# Altium PCB CL-HC-M-V2.1.PcbDoc (part 1 of 19) (continued)
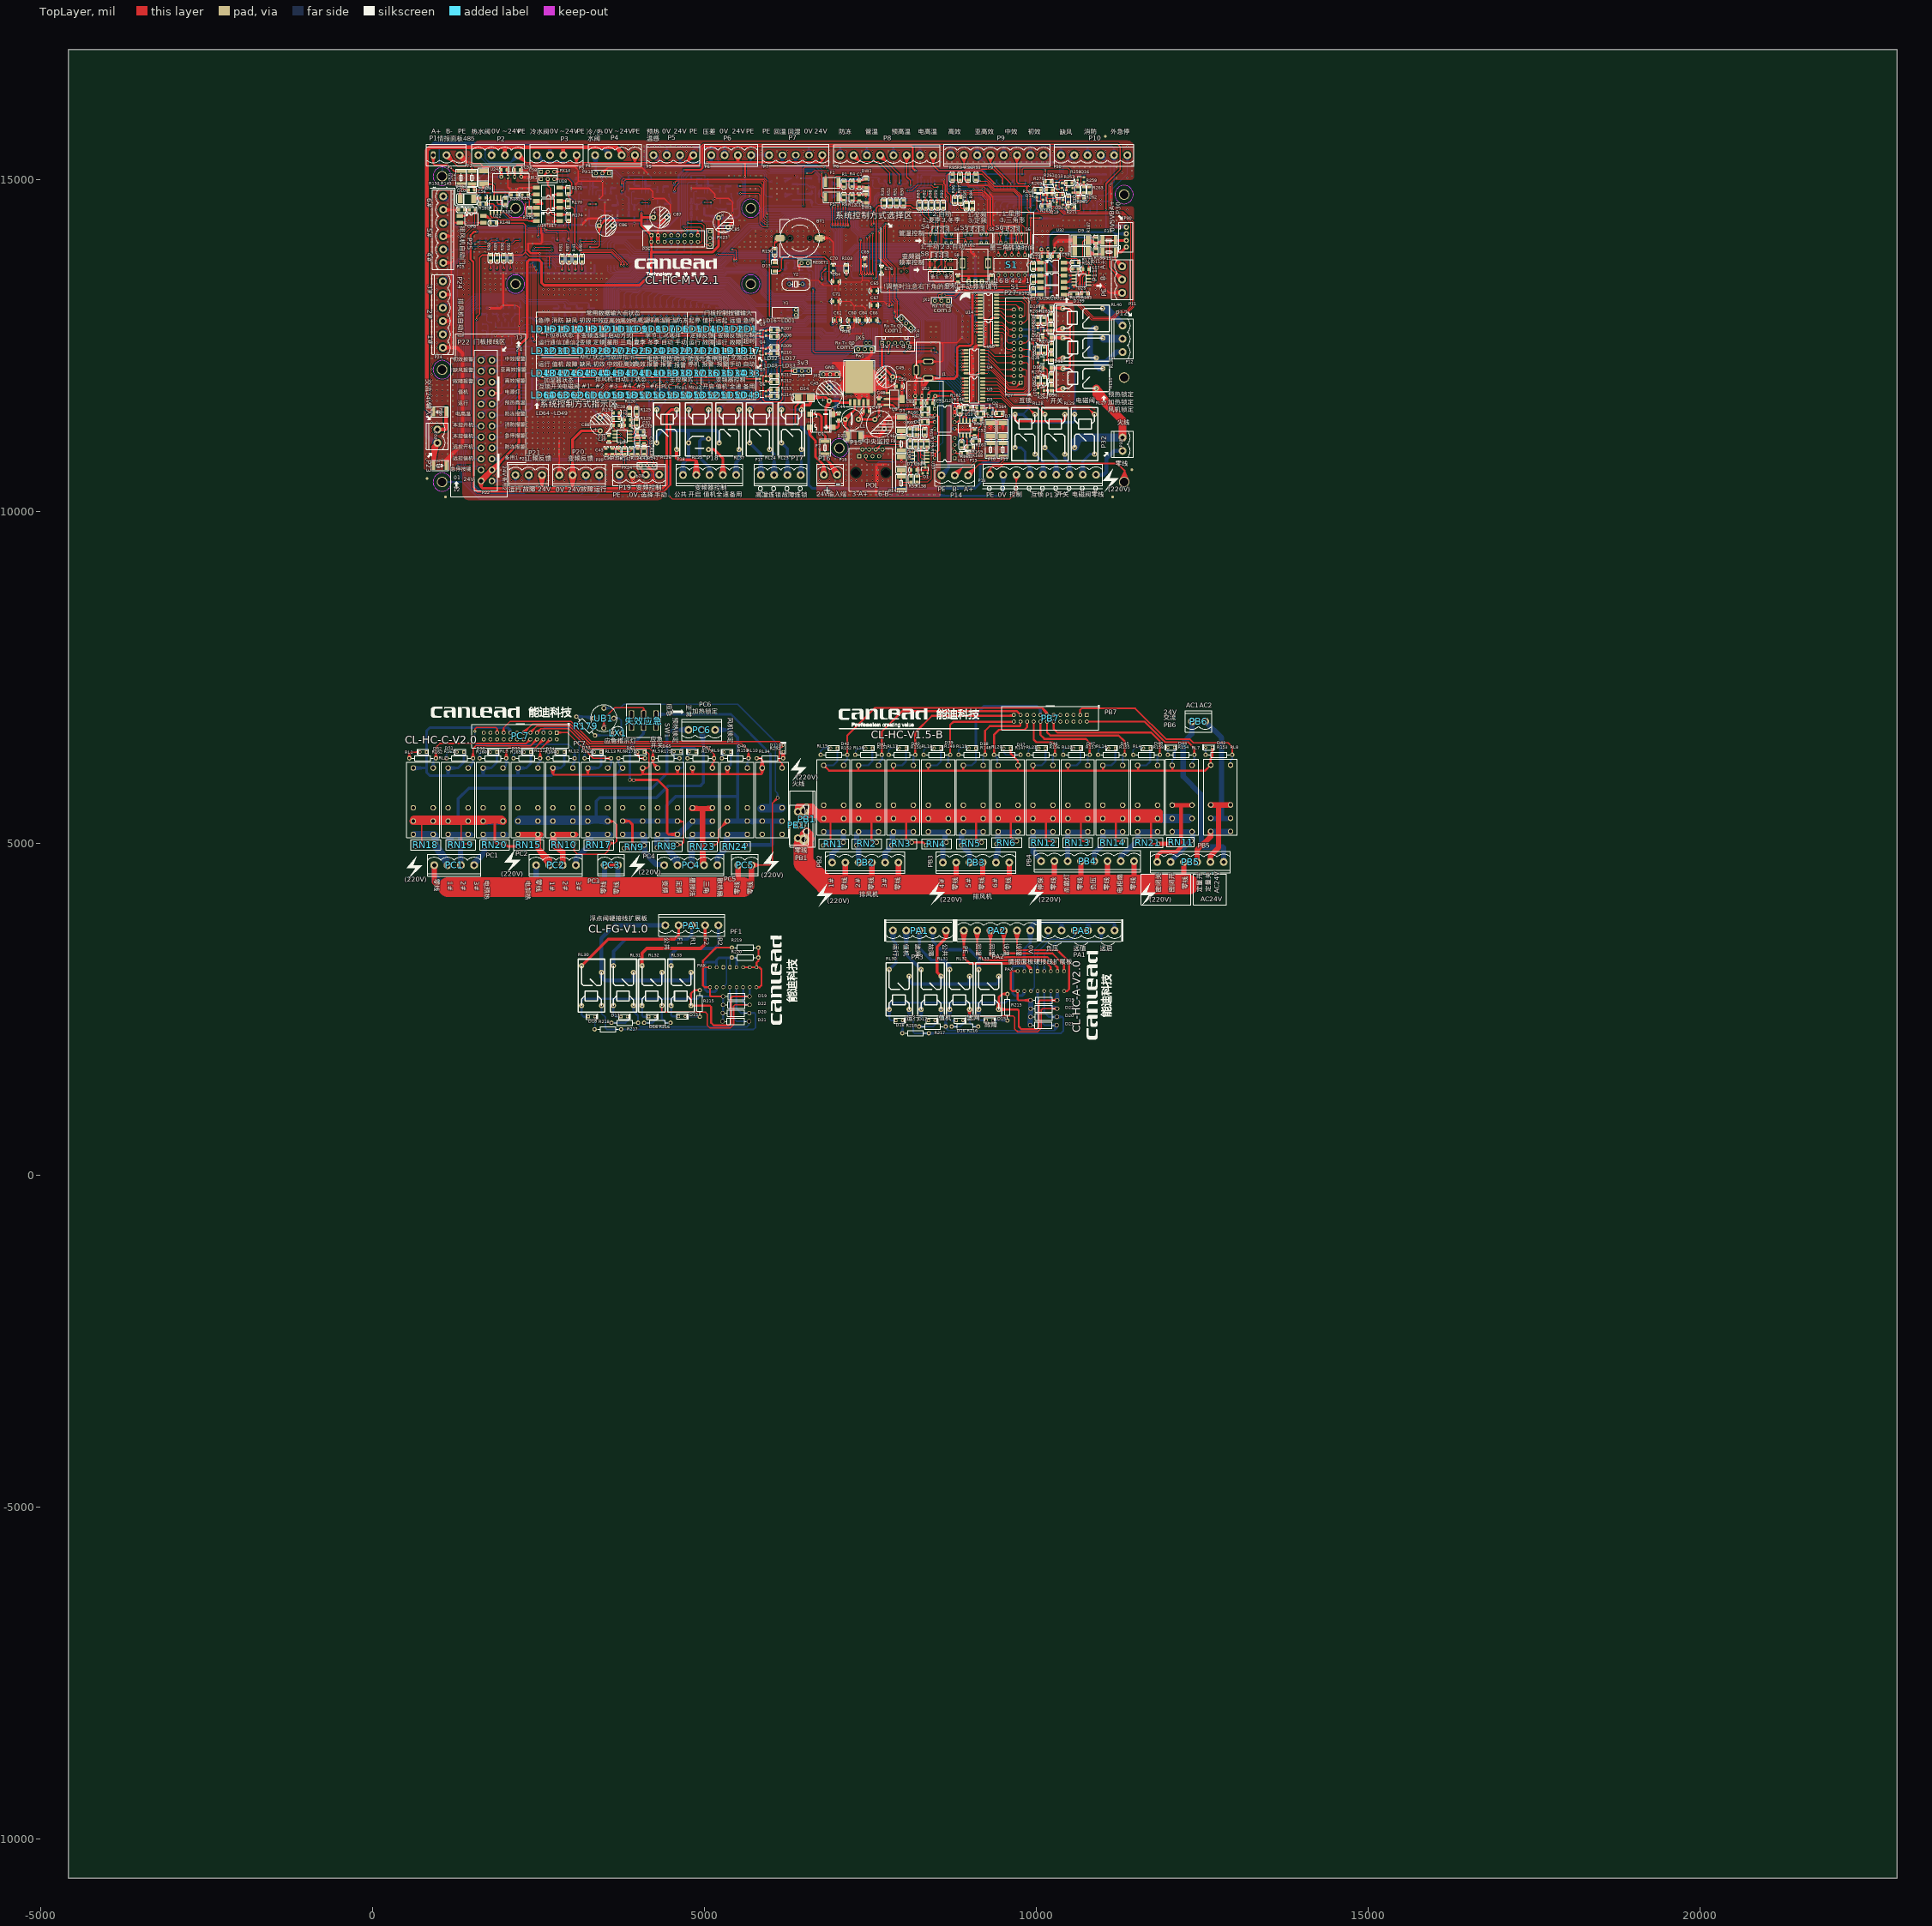
[diagram p0: TopLayer view]
## Components (designator, comment, footprint, x,y, rotation, side; value= is the part's Value field where it differs from the comment) (continued)
LD55 "GR" 0805_B 4387.97,11753.58 r0 top
LD56 "GR" 0805_B 4182.18,11753.58 r0 top
LD57 "GR" 0805_B 3976.39,11753.58 r0 top
LD58 "GR" 0805_B 3770.6,11753.58 r0 top
LD59 "GR" 0805_B 3564.81,11753.58 r0 top
LD60 "GR" 0805_B 3359.02,11753.58 r0 top
LD61 "GR" 0805_B 3153.23,11753.58 r0 top
LD62 "GR" 0805_B 2947.44,11753.58 r0 top
LD63 "GR" 0805_B 2741.65,11753.58 r0 top
LD64 "GR" 0805_B 2535.86,11753.58 r0 top
LX1 "" LEDA 3648.56,6660.24 r180 top locked (schematic designator 红?)
OP1 "PS2512-4" SO_16L 10738.86,14708.5 r0 bottom
OP2 "PS2512-4" SO_16L 9537.76,14700.04 r0 bottom
OP3 "PS2512-4" SO_16L 7837.38,14742.24 r0 bottom
OP4 "PS2512-4" SO_16L 3027.76,13835.04 r0 bottom
OP5 "PS2512-4" SO_16L 1952.76,13835.04 r0 bottom
OP6 "PS2512-4" SO_16L 1974.37,12715.16 r0 bottom
OP7 "PS2512-4" SO_16L 3052.06,12720.09 r0 bottom
OP8 "EL817" EL-817 1316.39,14453.86 r0 top
P1 "" PL3X#1 914.75,15370.67 r0 top (schematic designator 485-1)
P2 "热水执行" PL4X 1894.08,15370.67 r180 top (schematic designator 热水阀执行1)
P3 "冷水执行" PL4X 2774,15370.67 r180 top (schematic designator 冷水阀执行1)
P4 "冷/热水阀" PL4X 3653.92,15369.36 r180 top (schematic designator 冷/热水阀1)
P5 "N1000" PL4X 4533.84,15370.67 r180 top (schematic designator 预热温感1)
P6 "压差" PL4X 5403.92,15369.36 r180 top (schematic designator 压差传感器1)
P7 "回风温湿" PL5X#1 6376.36,15370.67 r180 top (schematic designator 回风温湿传感器1)
P8 "DI-3" PL8X 7748.32,15367.06 r0 top (schematic designator P1)
P9 "DI-2" PL8X 9410.72,15369.03 r0 top (schematic designator P5)
P10 "DI-1" PL6X 10873.71,15369.03 r0 top (schematic designator P9)
P11 "" PL3X#2 11295.27,13694.56 r270 top (schematic designator 485-2)
P12 "Header 3" PL3X#2 11302.26,12801.51 r270 top locked (schematic designator P25)
P13 "Header 9" PL9X 10102.22,10553.66 r0 top (schematic designator 加湿器1)
P14 "Header 4X2" RH45 7508.69,10758.66 r0 top
P15 "Header 3" PL3X#2 8572.38,10545.64 r0 top
P16 "power" PL2X 6899.97,10553.66 r0 top (schematic designator 24V)
P17 "硬接线" PL4X 6151.71,10550.41 r180 top (schematic designator 电柜内部1)
P18 "硬接线" PL5X#2 5077.86,10551.66 r180 top (schematic designator 变频1)
P19 "硬接线" PL4X 4019.56,10553.66 r0 top (schematic designator 变频2)
P20 "变频反馈" PL4X 3114.81,10549.2 r180 top (schematic designator 变频3)
P21 "工频反馈" PL3X#2 2154.81,10549.2 r0 top (schematic designator 电柜内部2)
P22 "硬接线" ATX_24PIN 1635.3,12280.18 r270 top (schematic designator 门控指示灯1)
P23 "硬接线" PL2X 977.49,11135.5 r90 top
P24 "自动门" PL6X 1058.64,12969.2 r90 top (schematic designator P14)
P25 "自动门" PL6X 1064.81,14249.2 r90 top (schematic designator P17)
P26 "Header 8X2" Con2*8-1mm 4201.86,14163.1 r0 top
P27 "Con2*12-1mm" FC24LX 9716.03,12493.88 r90 top
P30 "硬接线" C3-4 11356.69,14134.99 r90 top (schematic designator 220V)
P32 "硬接线" PL2X 11300.57,11014.37 r90 top
PA1 "情报面板与电柜输入" pl5xQ 8241.01,3686.87 r0 top (schematic designator 外?)
PA1 "情报面板与电柜输入" pl5x 4811.28,3765.37 r0 top (schematic designator 外?)
PA2 "模拟-硬连接" PL6XQ 9410.68,3686.87 r180 top (schematic designator 外?)
PA3 "外接情报面板接口1" PL6XQ 10681.01,3686.87 r0 top
PAX "Header 8X2" centipede-16 10070.16,2925.27 r90 bottom (schematic designator P19)
PAX "Header 8X2" centipede-16 5434.49,2982.67 r90 bottom (schematic designator P19)
PB1 "硬接线" 95-2P 6540.64,5180.36 r90 top (schematic designator AC24Vin2)
PB1' "硬接线" PL3X#2 6407.5,5077.45 r90 top (schematic designator 客户接线1)
PB2 "Header 6" PL6X 7424.33,4711.71 r0 top (schematic designator 客户接线2)
PB3 "Header 6" PL6X 9094.33,4711.71 r0 top (schematic designator 客户接线3)
PB4 "Header 8" PL8X 10774.33,4731.71 r0 top (schematic designator 杀菌/停保)
PB5 "硬接线" PL6X 12324.99,4719.33 r0 top (schematic designator 客接新?)
PB6 "硬接线" PL2X 12445.98,6837.65 r180 top (schematic designator AC24Vin2)
PB7 "Con2*12-1mm" FC24LX 10213.41,6884.7 r180 top (schematic designator P21)
PC1 "Header 4" PL4X 1230.03,4671.3 r0 top locked (schematic designator 再热)
PC2 "Header 4" PL4X 2765.03,4671.3 r0 top locked (schematic designator 预热)
PC3 "硬接线" PL2X 3597.55,4672.36 r180 top locked (schematic designator P24)
PC4 "硬接线" PL5X#2 4796.36,4672.36 r180 top locked (schematic designator 送风机)
PC5 "硬接线" PL2X 5609.75,4672.36 r180 top locked (schematic designator P24)
PC6 "Header 3" PL3X#2 4760.73,6709.07 r0 top locked (schematic designator 火线)
PC7 "Con2*12-1mm" FC24LX 2227.25,6616.95 r180 top (schematic designator P21)
Pw1 "LM2596-5V" LM2575 7331.74,11835.34 r0 top
PX14 "Header 3" HDR1X3 2539.14,15120.55 r0 top
PX15 "Header 3" HDR1X3 3564.16,15098.22 r180 top
PX23 "Header 3" HDR1X3 5086.21,14220.32 r270 top
PX24 "Header 3" HDR1X3 4038.92,10691.76 r0 top
Q1 "NPN" SOT23 8327.38,10621.06 r0 top
Q2 "NPN" SOT23 9301.04,11517.4 r0 top
Q3 "PNP" SOT23 5882.39,12685.45 r90 top
Q4 "PNP" SOT23 5882.39,12415.45 r90 top
Q5 "PNP" SOT23 5882.39,12000.45 r90 top
Q6 "PNP" SOT23 5882.39,11775.45 r90 top
Q13 "PNP" SOT23 10344.86,14912.6 r90 top (schematic designator Q15)
Q15 "PNP" SOT23 10501.2,14841.87 r90 top
Q16 "PNP" SOT23 10671.12,14998.51 r90 top
Q17 "NPN" SOT23 10074.39,11821.36 r270 top
Q18 "PNP" SOT23 10056.87,14734.56 r90 top
Q19 "PNP" SOT23 10205.39,14725.87 r180 top
Q20 "PNP" SOT23 10354.66,14659.43 r90 top
Q21 "NPN" SOT23 10074.39,12281.37 r270 top
Q22 "NPN" SOT23 10070.34,12727.82 r270 top
R1 "20.5K" 0805R#1 7102.76,14975.04 r270 top
R2 "20.5K" 0805R#1 6321.73,14697 r90 bottom
R3 "20.5K" 0805R#1 7053.81,15002.19 r270 bottom
R4 "10K" 0805R#1 7222.76,14895.04 r90 top
R5 "10K" 0805R#1 6410.11,14782 r270 bottom
R6 "10K" 0805R#1 7149.13,14917.19 r90 bottom
R7 "20.5K" 0805R#1 7028.04,14684.21 r90 bottom
R8 "20.5K" 0805R#1 7102.76,14775.04 r270 top
R9 "20.5K" 0805R#1 6313.23,14934.91 r90 bottom
R10 "10K" 0805R#1 10978.86,15083.5 r270 bottom
R11 "10K" 0805R#1 7138.04,14774.21 r270 bottom
R12 "10K" 0805R#1 7222.76,14685.04 r90 top
R13 "10K" 0805R#1 6401.61,15017.82 r270 bottom
R14 "10K" 0805R#1 11063.86,15083.5 r270 bottom
R15 "10K" 0805R#1 7535.63,15083.78 r270 bottom
R16 "10K" 0805R#1 3222.38,14213.36 r270 bottom
R17 "10K" 0805R#1 3047.38,14213.36 r270 bottom
R18 "10K" 0805R#1 10804.71,15083.5 r270 bottom
R19 "10K" 0805R#1 10893.86,15083.5 r270 bottom
R20 "10K" 0805R#1 10633.86,15083.5 r270 bottom
R21 "10K" 0805R#1 10718.86,15083.5 r270 bottom
R22 "10K" 0805R#1 10466.61,15080.04 r270 bottom
R23 "10K" 0805R#1 10549.71,15083.5 r270 bottom
R24 "10K" 0805R#1 9749.84,15083.5 r270 bottom
R25 "10K" 0805R#1 9834.84,15083.5 r270 bottom
R26 "10K" 0805R#1 9575.69,15083.5 r270 bottom
R27 "10K" 0805R#1 9664.84,15083.5 r270 bottom
R28 "10K" 0805R#1 9404.84,15083.5 r270 bottom
R29 "10K" 0805R#1 9489.84,15083.5 r270 bottom
R30 "10K" 0805R#1 9234.84,15083.5 r270 bottom
R31 "10K" 0805R#1 9320.69,15083.5 r270 bottom
R32 "10K" 0805R#1 8062.81,15080.95 r270 bottom
R33 "10K" 0805R#1 8152.81,15080.95 r270 bottom
R34 "10K" 0805R#1 7882.81,15080.95 r270 bottom
R35 "10K" 0805R#1 7972.81,15080.95 r270 bottom
R36 "0R" 0805R#1 7166.44,12768.25 r180 top
R37 "10K" 0805R#1 7712.81,15080.95 r270 bottom
R38 "10K" 0805R#1 7797.81,15080.95 r270 bottom
R39 "10K" 0805R#1 7706.97,14690.85 r270 top
R40 "10K" 0805R#1 3157.38,13762.95 r90 top
R41 "10K" 0805R#1 3057.38,13762.95 r90 top
R42 "10K" 0805R#1 10021.99,14504.06 r270 bottom
R43 "10K" 0805R#1 10110.9,14504.55 r270 bottom
R44 "10K" 0805R#1 10198.82,14504.06 r270 bottom
R45 "10K" 0805R#1 10426.02,14626.55 r270 bottom
R46 "10K" 0805R#1 10306.61,14995.04 r90 bottom
R47 "10K" 0805R#1 10211.61,14995.04 r90 bottom
R48 "10K" 0805R#1 10111.61,14995.04 r90 bottom
R49 "10K" 0805R#1 10016.61,14995.04 r90 bottom
R50 "10K" 0805R#1 7996.53,14692.61 r270 top
R51 "10K" 0805R#1 7896.53,14692.61 r270 top
R52 "10K" 0805R#1 7796.53,14691.5 r270 top
R53 "10K" 0805R#1 2697.38,14213.36 r270 bottom
R54 "10K" 0805R#1 2782.38,14213.36 r270 bottom
R55 "10K" 0805R#1 2867.38,14213.36 r270 bottom
R56 "10K" 0805R#1 2957.38,14213.36 r270 bottom
R57 "10K" 0805R#1 1622.38,14213.36 r270 bottom
R58 "10K?" 0805R#1 8099.85,11061.48 r270 top
R59 "3K" 0805R#1 8112.38,10528.36 r270 top
R60 "3K" 0805R#1 8099.85,11243.83 r270 top
R61 "1K" 0805R#1 8321.76,11238.69 r270 top
R62 "1K" 0805R#1 8267.38,11058.36 r270 top
R63 "3K" 0805R#1 8182.38,11058.15 r270 top
R64 "10K" 0805R#1 1707.38,14213.36 r270 bottom
R65 "10K" 0805R#1 1792.38,14214.57 r270 bottom
R66 "0R" 0805R#2 8326.08,11459.06 r0 top
R67 "0R" 0805R#2 8328.05,11542.58 r0 top
R68 "10K" 0805R#1 3257.76,13065.04 r270 bottom
R69 "10K" 0805R#1 3077.76,13065.04 r270 bottom
R70 "10K" 0805R#1 2987.76,13065.04 r270 bottom
R71 "10K" 0805R#1 2807.76,13065.04 r270 bottom
R72 "10K" 0805R#1 1877.38,14214.57 r270 bottom
R73 "10K" 0805R#1 1962.38,14213.36 r270 bottom
R74 "10K" 0805R#1 2047.38,14213.36 r270 bottom
R75 "10K" 0805R#1 3355.43,12864.42 r0 bottom
R76 "10K" 0805R#1 3355.43,12771.07 r0 bottom
R77 "10K" 0805R#1 3355.43,12677.73 r0 bottom
R78 "10K" 0805R#1 3355.43,12584.39 r0 bottom
R79 "10K" 0805R#1 2132.38,14213.36 r270 bottom
R80 "10K" 0805R#1 2217.38,14213.36 r270 bottom
R81 "10K" 0805R#1 2857.38,13764.63 r90 top (schematic designator R24)
R82 "10K" 0805R#1 8332.76,14660.04 r270 top
R83 "10K" 0805R#1 8242.76,14575.04 r90 top
R84 "10K" 0805R#1 9037.16,14564.72 r90 top
R85 "10K" 0805R#1 8949.03,14564.72 r90 top
R86 "10K" 0805R#1 8972.9,15079.42 r270 top
R87 "10K" 0805R#1 2957.38,13764.63 r90 top
R88 "10K" 0805R#1 1777.76,13778.36 r90 top
R89 "10K" 0805R#1 1877.38,13778.36 r90 top
R90 "10K" 0805R#1 1977.38,13778.36 r90 top
R91 "10K" 0805R#1 2077.38,13778.36 r90 top
R92 "10K" 0805R#1 8597.76,14575.04 r90 top
R93 "10K" 0805R#1 9092.15,14994.52 r90 top
R94 "10K" 0805R#1 8853.64,14994.52 r90 top
R95 "10K" 0805R#1 8734.38,14994.52 r90 top
R96 "10K" 0805R#1 8775.9,14732.19 r270 top
R97 "10K" 0805R#1 8862.78,14732.19 r270 top
R98 "10K" 0805R#1 8422.76,14575.04 r90 top
R99 "10K" 0805R#1 8512.76,14575.04 r90 top
R100 "104" 0805R#1 3755.56,14878.96 r180 bottom
R101 "104" 0805R#1 3757.13,14769.55 r180 bottom
R102 "10K可调" RES_ADJ 9082.56,13463.49 r0 top
R103 "0R" 0805R#1 7140.49,13707.58 r270 top
R104 "104" 0805R#1 4547.57,14901.22 r180 bottom
R105 "104" 0805R#1 4550.54,14790.41 r180 bottom
R106 "104" 0805R#1 3587.74,14880.36 r180 bottom
R107 "104" 0805R#1 3602.74,14616.21 r270 bottom
R108 "104" 0805R#1 4381.15,14901.22 r180 bottom
R109 "10K" 0805R#1 9332.63,13466.17 r90 top
R110 "104" 0805R#1 4396.15,14637.07 r270 bottom
R111 "103" 0805R#1 3402.74,14975.36 r270 bottom
R112 "103" 0805R#1 3067.74,14800.36 r0 bottom
R113 "103" 0805R#1 4196.15,14996.22 r270 bottom
R114 "103" 0805R#1 3861.15,14821.22 r0 bottom
R115 "20.5K" 0805R#1 3152.74,14603.1 r180 bottom
R116 "20.5K" 0805R#1 3946.15,14623.96 r180 bottom
R117 "20.5K" 0805R#1 3317.74,14890.36 r180 bottom
R118 "20.5K" 0805R#1 4111.15,14911.22 r180 bottom
R119 "100" 0805R#1 3067.74,14990.36 r0 bottom
R120 "100" 0805R#1 3152.74,14700.17 r180 bottom
R121 "100" 0805R#1 3861.15,15011.22 r0 bottom
R122 "100" 0805R#1 3946.15,14721.03 r180 bottom
R123 "104" 0805R#1 5488.28,14905.93 r180 bottom
R124 "104" 0805R#1 5491.25,14795.12 r180 bottom
R125 "104" 0805R#1 3980.25,11550.95 r270 top
R126 "104" 0805R#1 3870.84,11552.52 r270 top
R127 "104" 0805R#1 5321.86,14905.93 r180 bottom
R128 "104" 0805R#1 5336.86,14641.78 r270 bottom
R129 "104" 0805R#1 3981.65,11383.14 r270 top
R130 "104" 0805R#1 3717.5,11398.14 r180 top
R131 "103" 0805R#1 5136.86,15000.93 r270 bottom
R132 "103" 0805R#1 4801.86,14825.93 r0 bottom
R133 "103" 0805R#1 4076.65,11198.14 r180 top
R134 "103" 0805R#1 3901.65,10863.14 r90 top
R135 "20.5K" 0805R#1 4886.86,14628.67 r180 bottom
R136 "20.5K" 0805R#1 3704.39,10948.14 r270 top
R137 "20.5K" 0805R#1 5051.86,14915.93 r180 bottom
R138 "20.5K" 0805R#1 3991.65,11113.14 r270 top
R139 "100" 0805R#1 4801.86,15015.93 r0 bottom
R140 "100" 0805R#1 4886.86,14725.74 r180 bottom
R141 "100" 0805R#1 4091.65,10863.14 r90 top
R142 "100" 0805R#1 3801.46,10948.14 r270 top
R143 "10K" 0805R#1 1543.68,14545.33 r180 top
R144 "10K" 0805R#1 1636.89,13065.24 r270 bottom
R145 "10K" 0805R#1 1886.89,13065.36 r270 bottom
R146 "10K" 0805R#1 2056.89,13066.36 r270 bottom
R147 "10K" 0805R#1 2227.76,13065.04 r270 bottom
R147 "15K" AXIAL0.4 9763.41,6334.7 r180 top
R148 "10K" 0805R#1 1776.13,14346.15 r0 top
R148 "15K" AXIAL0.4 8830.83,6335.07 r0 top
R149 "10K" 0805R#1 1648.79,12826.25 r180 bottom
R149 "15K" AXIAL0.4 8304.67,6334.7 r0 top
R150 "10K" 0805R#1 1647.86,12729.49 r180 bottom
R150 "15K" AXIAL0.4 7779.04,6334.7 r0 top
R151 "10K" 0805R#1 1648.79,12634.75 r180 bottom
R151 "15K" AXIAL0.4 7273.93,6334.7 r0 top
R152 "10K" 0805R#1 1650.88,12557.34 r180 bottom
R152 "15K" AXIAL0.4 6753.93,6335.07 r0 top
R153 "10K" 0805R#1 1381.07,14546.26 r180 top
R153 "15K" AXIAL0.4 12553.93,6335.43 r0 top
R154 "10K" 0805R#1 1721.89,12980.24 r90 bottom
R154 "15K" AXIAL0.4 11983.93,6335.07 r0 top
R155 "10K" 0805R#1 1799.26,12980.36 r90 bottom
R155 "15K" AXIAL0.4 10932.83,6334.7 r0 top
R156 "10K" 0805R#1 1970.39,12980.36 r90 bottom
R156 "15K" AXIAL0.4 9882.09,6335.07 r0 top
R157 "10K" 0805R#1 2142.5,12980.24 r90 bottom
R157 "15K" AXIAL0.4 10407.73,6335.07 r0 top
R158 "30K" 0805R#1 8206.95,10446.03 r90 top
R158 "15K" AXIAL0.4 11463.93,6335.07 r0 top
R159 "3K" 0805R#1 8352.38,11058.36 r270 top
R159 "15K" AXIAL0.4 5265.29,6282.05 r0 top locked
R160 "1K" 0805R#1 8359.67,11348.36 r180 top
R160 "15K" AXIAL0.4 1615.29,6282.05 r0 top locked
R161 "1K" 0805R#1 8960.76,10872.99 r180 top
R161 "15K" AXIAL0.4 1115.29,6282.05 r0 top locked
R162 "3K" 0805R#1 8849.03,11563.66 r270 top
R162 "15K" AXIAL0.4 555.29,6282.05 r0 top locked
R163 "30K" 0805R#1 9201.04,11471.14 r180 top
R163 "15K" AXIAL0.4 3195.29,6282.05 r0 top locked
R164 "3K" 0805R#1 9488.75,11476.82 r180 top
R164 "15K" AXIAL0.4 2645.29,6282.05 r0 top locked
R165 "3K" 0805R#1 9082.38,11373.66 r0 top
R165 "15K" AXIAL0.4 2125.29,6282.05 r0 top locked
R166 "1K" 0805R#1 9008.65,11563.66 r180 top
R167 "3K" 0805R#1 9133.56,11058.15 r180 top
R168 "10K?" 0805R#1 8874.29,10963.36 r90 top
R169 "3K" 0805R#1 9045.76,10968.36 r180 top
R170 "1K" 0805R#1 2947.38,14678.36 r270 top
R171 "1K" 0805R#1 2947.38,14879.27 r270 top
R171 "15K" AXIAL0.4 4104.38,6281.31 r180 top locked
R172 "1K" 0805R#1 9954.79,13457.31 r90 top
R173 "1K" 0805R#1 9954.44,13653.1 r90 top
R174 "1K" 0805R#1 2954.07,14389.76 r90 top
R175 "1K" 0805R#1 9957.13,13353.69 r270 top
R175 "15K" AXIAL0.4 4624.73,6281.31 r180 top locked
R176 "1K" 0805R#1 2253.82,14769.93 r0 top
R177 "1K" 0805R#1 10632.67,13750.76 r180 top
R177 "15K" AXIAL0.4 4745.43,6282.05 r0 top locked
R178 "1K" 0805R#1 2363.32,14480.18 r90 top
R179 "1K" 0805R#1 10523.81,13270.23 r0 top
R179 "51K 2512 1W" AXIAL0.4 3353.23,6626.68 r135 top locked
R180 "30K" 0805R#1 1620.38,14632.63 r0 top
R181 "30K" 0805R#1 10546.43,13653.06 r0 top
R182 "3K" 0805R#1 2002.4,14629.18 r90 top
R183 "3K" 0805R#1 10774.2,13272.25 r180 top
R184 "10K?" 0805R#1 1534.6,14846.7 r180 top
R185 "3K" 0805R#1 2176.49,14769.93 r180 top
R186 "10K?" 0805R#1 10900.45,13958.72 r270 top
R187 "3K" 0805R#1 10900.45,14130.98 r270 top
R188 "1M" 0805R#1 6424.88,13538.37 r180 bottom
R189 "10K" 0805R#1 6275.43,13748.37 r0 bottom
R190 "10K" 0805R#1 6060.46,13869.25 r90 top
R191 "1K" 0805R#1 5163.5,13071.09 r270 bottom
R192 "1K" 0805R#1 5072.28,13071.09 r270 bottom
R193 "1K" 0805R#1 4981.05,13071.09 r270 bottom
R194 "1K" 0805R#1 4889.82,13071.09 r270 bottom
R195 "1K" 0805R#1 4798.6,13071.09 r270 bottom
R196 "1K" 0805R#1 4707.37,13071.09 r270 bottom
R197 "1K" 0805R#1 4616.14,13071.09 r270 bottom
R198 "1K" 0805R#1 4524.92,13071.09 r270 bottom
R199 "1K" 0805R#1 4433.69,13071.09 r270 bottom
R200 "1K" 0805R#1 4342.46,13071.09 r270 bottom
R201 "1K" 0805R#1 4251.24,13071.09 r270 bottom
R202 "1K" 0805R#1 4160.01,13071.09 r270 bottom
R203 "1K" 0805R#1 4068.79,13071.09 r270 bottom
R204 "1K" 0805R#1 3977.56,13071.09 r270 bottom
R205 "1K" 0805R#1 3886.33,13071.09 r270 bottom
R206 "1K" 0805R#1 3795.11,13071.09 r270 bottom
R207 "10K" 0805R#1 6011.13,12740.98 r0 top
R208 "3K" 0805R#1 6011.13,12635.98 r0 top
R209 "10K" 0805R#1 6011.13,12475.98 r0 top
R210 "3K" 0805R#1 6011.13,12380.98 r0 top
R211 "10K" 0805R#1 6011.13,12040.98 r0 top
R212 "3K" 0805R#1 6011.13,11950.98 r0 top
R213 "10K" 0805R#1 6011.13,11835.98 r0 top
R214 "3K" 0805R#1 6011.13,11735.98 r0 top
R215 "15K" AXIAL0.4 9566.04,2330.71 r90 top (schematic designator R174)
R215 "15K" AXIAL0.4 4930.37,2388.11 r90 top (schematic designator R174)
R216 "15K" AXIAL0.4 8726.93,2240.56 r0 top (schematic designator R173)
R216 "15K" AXIAL0.4 4091.26,2297.96 r0 top (schematic designator R173)
R217 "15K" AXIAL0.4 8236.93,2240.56 r0 top (schematic designator R172)
R217 "15K" AXIAL0.4 3601.26,2297.96 r0 top (schematic designator R172)
R218 "15K" AXIAL0.4 7982.92,2140.56 r0 top (schematic designator R169)
R218 "15K" AXIAL0.4 3347.24,2197.96 r0 top (schematic designator R169)
R219 "100K" AXIAL0.4 5814.37,3429.14 r180 top (schematic designator R173)
R220 "20K" AXIAL0.4 5814.37,3280.48 r180 top (schematic designator R173)
R249 "10K" 0805R#1 7625.17,15082.24 r270 bottom
R250 "10K" 0805R#1 3307.38,14213.36 r270 bottom
R251 "10K" 0805R#1 3132.38,14213.36 r270 bottom
R252 "10K" 0805R#1 3347.76,13065.04 r270 bottom
R253 "10K" 0805R#1 3167.76,13065.04 r270 bottom
R254 "10K" 0805R#1 2897.76,13065.04 r270 bottom
R255 "10K" 0805R#1 2717.76,13065.04 r270 bottom
R257 "10K" 0805R#1 10454.2,14950.21 r0 top
R258 "10K" 0805R#1 10627.16,14889.46 r270 top
R259 "10K" 0805R#1 10717.38,14805.35 r90 top
R260 "3K" 0805R#1 10028.13,11930.36 r90 top
R261 "3K" 0805R#1 10224.57,14966.99 r180 top
R262 "3K" 0805R#1 10625.95,14718.75 r0 top
R263 "3K" 0805R#1 10804.69,14891.55 r270 top
R264 "15K" 0805R#1 10228.39,12070.36 r270 top
R265 "10K" 0805R#1 10174.33,14599.72 r180 top
R266 "10K" 0805R#1 10312.37,14771.75 r0 top
R267 "10K" 0805R#1 10483.63,14744.07 r270 top
R268 "3K" 0805R#1 10028.13,12475.37 r270 top
R269 "3K" 0805R#1 10069.14,14847.28 r180 top
R270 "3K" 0805R#1 10243.53,14847.28 r180 top
R271 "3K" 0805R#1 10485.16,14583.11 r0 top
R272 "15K" 0805R#1 10226.39,12528.37 r270 top
R275 "3K" 0805R#1 10120.65,12015.36 r270 top (schematic designator R261)
R276 "3K" 0805R#1 10120.65,12475.37 r270 top (schematic designator R261)
R283 "3K" 0805R#1 10024.08,12921.82 r270 top
R284 "3K" 0805R#1 10116.6,12921.82 r270 top
R285 "15K" 0805R#1 10222.34,12974.82 r270 top
R292 "15K" AXIAL0.4 5788.81,6282.05 r0 top locked
RESET1 "RESET" SIP2 6512.64,13742.64 r180 top
RL1 "三级预热" HF115-5#1 764.23,5635.81 r0 top locked
RL2 "二级预热" HF115-5#1 1290.11,5635.81 r0 top locked
RL3 "一级预热" HF115-5#1 1815.98,5635.81 r0 top locked
RL4 "送风机散热风扇" HF115-5#1 11678.99,5675.17 r0 top
RL5 "送风机定频起停" HF115-5#1 4445.35,5635.81 r0 top locked
RL6 "送风机变频起停" HF115-5#1 3919.48,5635.81 r0 top locked
RL7 "新风密闭执行" HF115-5#1 12199.02,5676.29 r0 top
RL8 "新风定量执行" HF115-5#1 12778.39,5678.91 r0 top
RL9 "星三角切换" HF115-5#1 4971.23,5635.81 r0 top locked
RL10 "电柜散热风扇" HF115-5#1 5497.1,5635.81 r0 top locked
RL11 "三级再热" HF115-5#1 2341.86,5635.81 r0 top locked
RL12 "二级再热" HF115-5#1 2867.73,5635.81 r0 top locked
RL13 "一级再热" HF115-5#1 3393.6,5635.81 r0 top locked
RL14 "负压排风" HF115-5#1 11153.36,5675.17 r0 top
RL15 "6#排风机" HF115-5#1 6948.3,5675.17 r0 top
RL16 "5#排风机" HF115-5#1 7473.94,5675.17 r0 top
RL17 "4#排风机" HF115-5#1 7999.57,5675.17 r0 top
RL18 "3#排风机" HF115-5#1 8525.2,5675.17 r0 top
RL19 "2#排风机" HF115-5#1 9050.83,5675.17 r0 top
RL20 "1#排风机" HF115-5#1 9576.47,5675.17 r0 top
RL21 "停机保护" HF115-5#1 10102.1,5675.17 r0 top
RL22 "杀菌灯" HF115-5#1 10627.73,5675.17 r0 top
RL23 "->缺风故障" RELAY12V 6562.76,10935.04 r90 top
RL24 "->高温故障" RELAY12V 6082.76,10935.04 r90 top
RL25 "POL->变频值机" RELAY12V-5 5162.76,10935.04 r90 top
RL26 "POL->变频开启" RELAY12V 4682.76,10935.04 r90 top
RL27 "POL->加湿电磁阀" RELAY12V 10979.6,10863.92 r90 top
RL28 "POL->加湿互锁" RELAY12V 10081.53,10863.66 r90 top
RL29 "POL->加湿开关" RELAY12V 10531.53,10863.66 r90 top
RL30 "POL->运行监控" RELAY12V 7685.68,3098.06 r270 top (schematic designator RL33)
RL30 "POL->运行监控" RELAY12V 3050,3155.46 r270 top (schematic designator RL33)
RL31 "POL->值机监控" RELAY12V 8166.41,3098.06 r270 top (schematic designator RL32)
RL31 "POL->值机监控" RELAY12V 3530.73,3155.46 r270 top (schematic designator RL32)
RL32 "POL->加湿电磁阀" RELAY12V 8596.08,3098.06 r270 top (schematic designator RL31)
RL32 "POL->加湿电磁阀" RELAY12V 3960.41,3155.46 r270 top (schematic designator RL31)
RL33 "POL->加湿电磁阀" RELAY12V 9034.8,3098.06 r270 top (schematic designator RL30)
RL33 "POL->加湿电磁阀" RELAY12V 4399.12,3155.46 r270 top (schematic designator RL30)
RL34 "星三角切换" HF115-5#2 6021.6,5635.81 r180 top locked
RL35 "风机锁定" RELAY12V 11004.37,12255 r180 top
RL36 "加热锁定" RELAY12V 11004.37,12715.01 r180 top
RL37 "POL->变频备用" RELAY12V 5622.76,10935.04 r90 top
RL40 "预热锁定" RELAY12V 11000.31,13161.46 r180 top
RN1 "1D471" RAD0.3#1 6944.33,4991.71 r180 top
RN2 "1D471" RAD0.3#1 7444.83,4993.43 r0 top
RN3 "1D471" RAD0.3#1 7971.95,4993.43 r0 top
RN4 "1D471" RAD0.3#1 8494.33,4991.71 r180 top
RN5 "1D471" RAD0.3#1 9026.19,4993.43 r0 top
RN6 "1D471" RAD0.3#1 9554.33,5011.71 r0 top
RN8 "1D471" RAD0.3#1 4439.53,4958.43 r0 top locked
RN9 "1D471" RAD0.3#1 3943.16,4946.96 r180 top locked
RN10 "1D471" RAD0.3#1 2886.6,4977.76 r0 top locked
RN11 "1D471" RAD0.3#1 12183.35,5016.27 r180 top
RN12 "1D471" RAD0.3#1 10114.33,5011.71 r0 top
RN13 "1D471" RAD0.3#1 10624.33,5011.71 r0 top
RN14 "1D471" RAD0.3#1 11154.33,5011.71 r0 top
RN15 "1D471" RAD0.3#1 2346.6,4977.76 r180 top locked
RN17 "1D471" RAD0.3#1 3406.6,4977.76 r0 top locked
RN18 "1D471" RAD0.3#1 798.03,4977.11 r180 top locked
RN19 "1D471" RAD0.3#1 1326.6,4977.76 r0 top locked
RN20 "1D471" RAD0.3#1 1836.6,4977.76 r0 top locked
RN21 "1D471" RAD0.3#2 11684.33,5011.71 r0 top
RN23 "1D471" RAD0.3#1 4971.29,4953.67 r0 top locked
RN24 "1D471" RAD0.3#1 5465.92,4953.67 r0 top locked
S1 "星三角时间" DIP10 9632.76,13715.04 r180 top
S4 "水温手动开关" SEL3-MIN 8562.76,14115.04 r0 top locked
S5 "定/变频" SEL3-MIN 9092.76,14115.04 r0 top locked
S6 "星三角选择" SEL3-MIN 9622.76,14115.04 r0 top locked
S8 "SW-SPDT" SEL3-MIN 8552.76,13725.04 r0 top locked
U1 "LM358" SOP-08 3342.74,14663.68 r0 bottom
U2 "165N" SO_16 2487.38,12745.5 r90 bottom
U3 "2003" SO_16 9069.27,11834.99 r270 top
U4 "2003" SO_16 9069.27,12258.43 r270 top
U5 "LM358" SOP-08 4136.15,14684.54 r0 bottom
U6 "LM358" SOP-08 5076.86,14689.25 r0 bottom
U7 "LM358" SOP-08 3764.97,11138.14 r90 top
U8 "2003" SO_16 2432.37,12261.08 r270 bottom
U9 "LT1117-3.3" AMS1117 7744.3,11696.59 r270 top
U10 "U485" SOP8 8242.38,10818.36 r90 top
U11 "6N137" DIP8 8772.38,10803.36 r180 top
U12 "6N137" DIP8 8472.38,11548.36 r0 top
U13 "U485" SOP8 8924.03,11258.36 r180 top
U14 "2003" SO_16 9278.63,13092.5 r270 top
U15 "2003" SO_16 9278.63,12679.54 r270 top
U16 "EL817" EL-817 2468.96,14474.76 r0 top
U17 "EL817" EL-817 2823.29,14577.96 r180 top
U18 "EL817" EL-817 2823.29,14779.56 r180 top
U19 "EL817" EL-817 10416.97,13268.09 r180 top
U20 "EL817" EL-817 10062.37,13558.29 r0 top
U21 "EL817" EL-817 10062.37,13750.26 r0 top
U22 "U485" SOP8 1854.78,14615.9 r0 top
U23 "U485" SOP8 10680.81,13485.1 r270 top
U24 "DCDC05" VScore 2240.37,15043.36 r180 top
U25 "2003" SO_16 2432.37,11791.61 r270 bottom
U26 "2003" SO_16 3517.74,13835.04 r180 bottom
U27 "2003" SO_16 6035.95,11943.83 r0 bottom
U28 "165N" SO_16 2467.69,13863.36 r90 bottom
U29 "165N" SO_16 8392.38,14873.36 r0 bottom
U30 "165N" SO_16 8889.38,14869.42 r0 bottom
U31 "165N" SO_16 10146.61,14738.63 r0 bottom
U32 "DCDC05" VScore 10078.34,13950.07 r0 top
U33 "STM32F103ZET6" LQFP144 6841.28,12850.93 r0 bottom
U52 "DCDC05" VScore 8177.95,11739.99 r0 top
UB1 "DB107S" BRI-W04 3484.9,6885.37 r0 top locked (schematic designator U1X)
Y1 "32.768K" XTAL4 6378.31,13039.29 r270 top
Y2 "8M" XAL2 6280.43,13425.53 r0 top
失效应急 "Header 6" SEL220V 4086.33,6849.57 r0 top locked

## Footprints (in the part's own frame and the unit in brackets; to place one, negate y for a bottom-side part, rotate by r counter-clockwise, add the part's x,y. Pads: shape width x height; smd on the part's side, far side on the other; paste and mask are expansions set on the pad)
95-2P [mm]
  round 2.5 hole 1.8: 1(0,0) 2(9.5,0)
  silkscreen extent -6,-3.3 15.5,6.28
0805_B [mil]
  rect 50x50 smd: A(0,0) K(80,0)
  silkscreen extent -40,-40 135,40
0805R#1 [mil]
  rrect30% 40x50 smd: 1(0,0) 2(85,0)
  silkscreen extent -32,-38 117,38, body extent 3,-25 82,25, height 30
0805R#2 [mil]
  rrect30% 40x50 smd: 1(-42.5,0) 2(42.5,0)
  silkscreen extent -75,-38 75,38, body extent -39,-25 40,25, height 30
1206AK [mil]
  rect 50x60 smd: A(-65,0) K(65,0)
  silkscreen extent -105,-45 118,45
1206AK1 [mil]
  rect 50x60 smd: 1(-65,0) 2(65,0)
  silkscreen extent -105,-45 118,45
AMS1117 [mm]
  rect 0.7x2 smd: 1(-2.3,0) 2(0,0) 3(2.3,0)
  rect 3x2 smd: 2(0,6)
  silkscreen extent -3.5,1.23 3.5,4.73, body extent -3.25,-0.48 3.25,6.48, height 1.7
ATX_24PIN [mm]
  round 2.54 hole 1.6: 1(0,0) 2(0,4.2) 3(4.2,0) 4(4.2,4.2) 5(8.4,0) 6(8.4,4.2) 7(12.6,0) 8(12.6,4.2) 9(16.8,0) 10(16.8,4.2) 11(21,0) 12(21,4.2) 13(25.2,0) 14(25.2,4.2) 15(29.4,0) 16(29.4,4.2) 17(33.6,0) 18(33.6,4.2) 19(37.8,0) 20(37.8,4.2) 21(42,0) 22(42,4.2) 23(46.2,0) 24(46.2,4.2)
  silkscreen extent -3.82,-2.51 50.01,7.1
AXIAL0.4 [mil]
  round 65 hole 32: 1(-0.53,-0.37) 2(399.47,-0.37)
  silkscreen extent 39,-40 359,40, body extent -12,-45 412,46, height 116
BAT [mm]
  oct 2.5x4 smd: 1(0,0)
  oval 2.5x4 smd: 2(0,-15.24)
  round 1.5 hole 1.5: ""(-0.025,-3.87)
  round 1.1 hole 1.1: ""(0,-11.37)
  silkscreen extent -7.62,-15.19 7.62,-0.05
Brg [mm]
  rect 2x2 smd: 1(-4.375,2.5)
  rect 2.2x2.2 smd: 2(-4.375,-2.5) 3(4.375,-2.5) 4(4.225,2.5)
  silkscreen extent -4,-4.3 3.8,4.3, body extent -3.27,-4.3 3.8,4.3, height 7
BRI-W04 [mil]
  round 75 hole 45: 1(0,150) 2(0,-150) 3(-150,0) 4(150,0)
  silkscreen extent -200,-200 200,200
C3-4 [mm]
  round 2 hole 1: 1(-3.81,0) 2(-1.27,0) 3(1.27,0) 4(3.81,0)
  silkscreen extent -5.71,-2.54 5.71,2.79, body extent -5.79,-2.62 5.79,2.87, height 10
C0805 [mil]
  rrect30% 40x50 smd: 1(-42.5,0) 2(42.5,0)
  silkscreen extent -75,-38 75,38, body extent -39,-25 39,25, height 30
c0805 [mil]
  rrect30% 40x50 smd: 1(-42.5,0) 2(42.5,0)
  silkscreen extent -75,-38 75,38, body extent -39,-25 39,25, height 30
C0805C [mil]
  rrect30% 40x50 smd: 1(-42.5,0) 2(42.5,0)
  silkscreen extent -75,-38 75,38, body extent -39,-25 39,25, height 30
centipede-16 [mil]
  round 55 hole 36: 1(150,-350) 2(-150,-350) 3(150,-250) 4(-150,-250) 6(-150,-150) 8(-150,-50) 9(150,50) 10(-150,50) 11(150,150) 12(-150,150) 13(150,250) 14(-150,250) 15(150,350) 16(-150,350)
  oval 70x50 hole 36: 5(150,-150) 7(150,-50)
Con2*8-1mm [mm]
  rect 1.5x1.5 hole 1: 1(0,0)
  round 1.5 hole 1: 2(0,-2.54) 3(2.54,0) 4(2.54,-2.54) 5(5.08,0) 6(5.08,-2.54) 7(7.62,0) 8(7.62,-2.54) 9(10.16,0) 10(10.16,-2.54) 11(12.7,0) 12(12.7,-2.54) 13(15.24,0) 14(15.24,-2.54) 15(17.78,0) 16(17.78,-2.54)
  silkscreen extent -3.17,-4.45 20.32,3.81
CZ5-2.54 [mm]
  rect 1.5x1.5 hole 0.9: 1(0,0)
  round 1.5 hole 0.9: 2(2.5,0) 3(5,0) 4(7.5,0) 5(10,0)
  silkscreen extent -2.4,-3.1 12.6,2.6, body extent -2.51,-3.39 12.52,2.36, height 7
DC-005A [mm]
  rrect50% 4x2 hole 1 slot 3 at 0 deg: 1(4.5,13.8) 2(4.5,7.5)
  rrect50% 2x4 hole 1 slot 3 at 90 deg: 3(9.1,10.8)
  silkscreen extent 0,0 9,13.84, body extent 0,0.02 9.5,13.84, height 11.02
DIODEAK [mm]
  round 1.6 / inner round 1.6 / far side round 2 hole 1.2: A(-5.08,0) K(5.08,0)
  silkscreen extent -4.06,-1.27 4.06,1.27, body extent -5.53,-1.3 5.53,1.3, height 3.3
DIP8 [mil]
  rect 50x50 hole 32: 1(0,0)
  round 50 hole 32: 2(0,-100) 3(0,-200) 4(0,-300) 5(300,-300) 6(300,-200) 7(300,-100) 8(300,0)
  silkscreen extent 50,-350 250,50, body extent -5,-364 305,66, height 188
DIP10 [mil]
  rect 50x50 hole 32: 1(-200,-150)
  round 50 hole 32: 2(-100,-150) 3(0,-150) 4(100,-150) 5(200,-150) 6(200,150) 7(100,150) 8(0,150) 9(-100,150) 10(-200,150)
  silkscreen extent -250,-100 267,100
E8MM [mm]
  round 2 hole 1: 1(-2.54,0) 2(2.54,0)
  silkscreen extent -4,-4 4,4, body extent -4.01,-4.04 4.01,3.99, height 7
E10MM-13 [mm]
  round 2 hole 1: 1(-2.54,0) 2(2.54,0)
  silkscreen extent -5.08,-5.08 5.08,5.08, body extent -5.09,-5.09 5.09,5.09, height 13
EL-817 [mm]
  rect 2.5x1.5 smd: 1(0,0) 2(0,-2.54) 3(9,-2.54) 4(9,0)
  silkscreen extent 2,-3.5 7,1, body extent -0.52,-3.57 9.64,1.03, height 3.75
FC24LX [mm]
  rect 1.5x1.5 hole 0.9: 1(-13.97,-1.27)
  round 1.5 hole 0.9: 2(-13.97,1.27) 3(-11.43,-1.27) 4(-11.43,1.27) 5(-8.89,-1.27) 6(-8.89,1.27) 7(-6.35,-1.27) 8(-6.35,1.27) 9(-3.81,-1.27) 10(-3.81,1.27) 11(-1.27,-1.27) 12(-1.27,1.27) 13(1.27,-1.27) 14(1.27,1.27) 15(3.81,-1.27) 16(3.81,1.27) 17(6.35,-1.27) 18(6.35,1.27) 19(8.89,-1.27) 20(8.89,1.27) 21(11.43,-1.27) 22(11.43,1.27) 23(13.97,-1.27) 24(13.97,1.27)
  silkscreen extent -18.9,-5.01 18.54,4.5
HDR1X3 [mm] "Connector; Header; 3 Position"
  rect 1.5x1.5 hole 0.9: 1(0,0)
  round 1.5 hole 0.9: 2(2.54,0) 3(5.08,0)
  silkscreen extent -1.27,-1.27 6.35,1.27
HF115-5#1 [mm]
  round 2.1 hole 1.3: 1(-3.81,12.7) 2(3.81,12.7) 3(-3.81,-12.7) 3(3.81,-12.7) 4(-3.81,-7.62) 4(3.81,-7.62) 5(-3.81,-2.54) 5(3.81,-2.54)
  silkscreen extent -6.37,-14.01 6.33,14.99
HF115-5#2 [mm]
  round 2.1 hole 1.3: 1(-3.81,-12.7) 2(3.81,-12.7) 3(-3.81,12.7) 3(3.81,12.7) 4(-3.81,7.62) 4(3.81,7.62) 5(-3.81,2.54) 5(3.81,2.54)
  silkscreen extent -6.37,-14.99 6.33,14.01
L8MM [mm]
  round 2 hole 1: 1(-2.54,0) 2(2.54,0)
  silkscreen extent -4,-4 4,4, body extent -4.01,-4.04 4.01,3.99, height 7
LEDA [mil]
  oct 65x65 hole 32: A(0,0)
  round 65 hole 32: K(-100,0)
  silkscreen extent -131,-98 46,99
LM2575 [mm] "Power Scource"
  rect 1.07x2.5 smd: 1(-3.4,-4.889) 2(-1.7,-4.89) 3(0,-4.89) 4(1.7,-4.89) 5(3.4,-4.889)
  rect 10.8x12.41 smd: 3(0,4.89)
  silkscreen extent -5.99,-6.57 6.07,11.24
LQFP144 [mil]
  rect 70x9.5 smd: 1(0,0)
  oval 70x9.5 smd: 2(0,-19.69) 3(0,-39.37) 4(0,-59.06) 5(0,-78.74) 6(0,-98.43) 7(0,-118.11) 8(0,-137.8) 9(0,-157.48) 10(0,-177.17) 11(0,-196.85) 12(0,-216.54) 13(0,-236.22) 14(0,-255.91) 15(0,-275.59) 16(0,-295.28) 17(0,-314.96) 18(0,-334.65) 19(0,-354.33) 20(0,-374.02) 21(0,-393.7) 22(0,-413.39) 23(0,-433.07) 24(0,-452.76) 25(0,-472.44) 26(0,-492.13) 27(0,-511.81) 28(0,-531.5) 29(0,-551.18) 30(0,-570.87) 31(0,-590.55) 32(0,-610.24) 33(0,-629.92) 34(0,-649.61) 35(0,-669.29) 36(0,-688.98) 73(854.33,-688.98) 74(854.33,-669.29) 75(854.33,-649.61) 76(854.33,-629.92) 77(854.33,-610.24) 78(854.33,-590.55) 79(854.33,-570.87) 80(854.33,-551.18) 81(854.33,-531.5) 82(854.33,-511.81) 83(854.33,-492.13) 84(854.33,-472.44) 85(854.33,-452.76) 86(854.33,-433.07) 87(854.33,-413.39) 88(854.33,-393.7) 89(854.33,-374.02) 90(854.33,-354.33) 91(854.33,-334.65) 92(854.33,-314.96) 93(854.33,-295.28) 94(854.33,-275.59) 95(854.33,-255.91) 96(854.33,-236.22) 97(854.33,-216.54) 98(854.33,-196.85) 99(854.33,-177.17) 100(854.33,-157.48) 101(854.33,-137.8) 102(854.33,-118.11) 103(854.33,-98.43) 104(854.33,-78.74) 105(854.33,-59.06) 106(854.33,-39.37) 107(854.33,-19.69) 108(854.33,0)
  oval 9.5x70 smd: 37(82.68,-771.65) 38(102.36,-771.65) 39(122.05,-771.65) 40(141.73,-771.65) 41(161.42,-771.65) 42(181.1,-771.65) 43(200.79,-771.65) 44(220.47,-771.65) 45(240.16,-771.65) 46(259.84,-771.65) 47(279.53,-771.65) 48(299.21,-771.65) 49(318.9,-771.65) 50(338.58,-771.65) 51(358.27,-771.65) 52(377.95,-771.65) 53(397.64,-771.65) 54(417.32,-771.65) 55(437.01,-771.65) 56(456.69,-771.65) 57(476.38,-771.65) 58(496.06,-771.65) 59(515.75,-771.65) 60(535.43,-771.65) 61(555.12,-771.65) 62(574.8,-771.65) 63(594.49,-771.65) 64(614.17,-771.65) 65(633.86,-771.65) 66(653.54,-771.65) 67(673.23,-771.65) 68(692.91,-771.65) 69(712.6,-771.65) 70(732.28,-771.65) 71(751.97,-771.65) 72(771.65,-771.65) 109(771.65,82.68) 110(751.97,82.68) 111(732.28,82.68) 112(712.6,82.68) 113(692.91,82.68) 114(673.23,82.68) 115(653.54,82.68) 116(633.86,82.68) 117(614.17,82.68) 118(594.49,82.68) 119(574.8,82.68) 120(555.12,82.68) 121(535.43,82.68) 122(515.75,82.68) 123(496.06,82.68) 124(476.38,82.68) 125(456.69,82.68) 126(437.01,82.68) 127(417.32,82.68) 128(397.64,82.68) 129(377.95,82.68) 130(358.27,82.68) 131(338.58,82.68) 132(318.9,82.68) 133(299.21,82.68) 134(279.53,82.68) 135(259.84,82.68) 136(240.16,82.68) 137(220.47,82.68) 138(200.79,82.68) 139(181.1,82.68) 140(161.42,82.68) 141(141.73,82.68) 142(122.05,82.68) 143(102.36,82.68) 144(82.68,82.68)
  silkscreen extent -65,-709 792,72
M7AK [mil]
  rect 100x100 smd: A(0,0) K(185,0)
  silkscreen extent -60,-60 280,60
PL2X [mm]
  round 3 hole 1.6: 1(-2.54,0) 2(2.54,0)
  silkscreen extent -5.08,-4.13 5.08,4.13
PL3X#1 [mm]
  oval 1.905x3 hole 1.6: 1(0,0)
  round 3 hole 1.6: 2(5.08,0) 3(10.16,0)
  silkscreen extent -2.54,-4.13 12.7,4.13
PL3X#2 [mm]
  round 3 hole 1.6: 1(0,0) 2(5.08,0) 3(10.16,0)
  silkscreen extent -2.54,-4.13 12.7,4.13
PL4X [mm]
  round 3 hole 1.6: 1(-7.62,0) 2(-2.54,0) 3(2.54,0) 4(7.62,0)
  silkscreen extent -10.16,-4.13 10.16,4.13
PL5X#1 [mm]
  round 3 hole 1.6: 1(-10.16,0) 5(10.16,0)
  oval 3x2.54 hole 1.6: 2(-5.08,0) 3(0,0) 4(5.08,0)
  silkscreen extent -12.7,-4.13 12.7,4.13
PL5X#2 [mm]
  round 3 hole 1.6: 1(-10.16,0) 2(-5.08,0) 3(0,0) 4(5.08,0) 5(10.16,0)
  silkscreen extent -12.7,-4.13 12.7,4.13
pl5x [mm]
  round 3 hole 1.6: 1(-10.16,0) 2(-5.08,0) 3(0,0) 4(5.08,0) 5(10.16,0)
  silkscreen extent -12.7,-4.13 12.7,4.13
pl5xQ [mm]
  round 3 hole 1.6: 1(-10.16,0) 2(-5.08,0) 3(0,0) 4(5.08,0) 5(10.16,0)
  silkscreen extent -13.57,-4.25 13.57,4.25
PL6X [mm]
  round 3 hole 1.6: 1(-12.7,0) 2(-7.62,0) 3(-2.54,0) 4(2.54,0) 5(7.62,0) 6(12.7,0)
  silkscreen extent -15.24,-4.13 15.24,4.13
PL6XQ [mm]
  round 3 hole 1.6: 1(-12.7,0) 2(-7.62,0) 3(-2.54,0) 4(2.54,0) 5(7.62,0) 6(12.7,0)
  silkscreen extent -16.11,-4.25 16.11,4.25
PL8X [mm]
  round 3 hole 1.6: 1(-17.78,0) 2(-12.7,0) 3(-7.62,0) 4(-2.54,0) 5(2.54,0) 6(7.62,0) 7(12.7,0) 8(17.78,0)
  silkscreen extent -20.32,-4.13 20.32,4.13
PL9X [mm]
  round 3 hole 1.6: 1(-20.32,0) 2(-15.24,0) 3(-10.16,0) 4(-5.08,0) 5(0,0) 6(5.08,0) 7(10.16,0) 8(15.24,0) 9(20.32,0)
  silkscreen extent -22.86,-4.13 22.86,4.13
PPTC_SMT [mm]
  rect 1.2x3.4 smd: 1(-2.4,0) 2(2.4,0)
  silkscreen extent -3.2,-2 3.2,2
RAD0.3#1 [mm]
  round 1.8 hole 1.2: 1(3.84,0.58) 2(-3.84,-0.58)
  silkscreen extent -5.76,-1.91 5.67,1.91